# KiCad board PiEEG.kicad_pcb (continued)
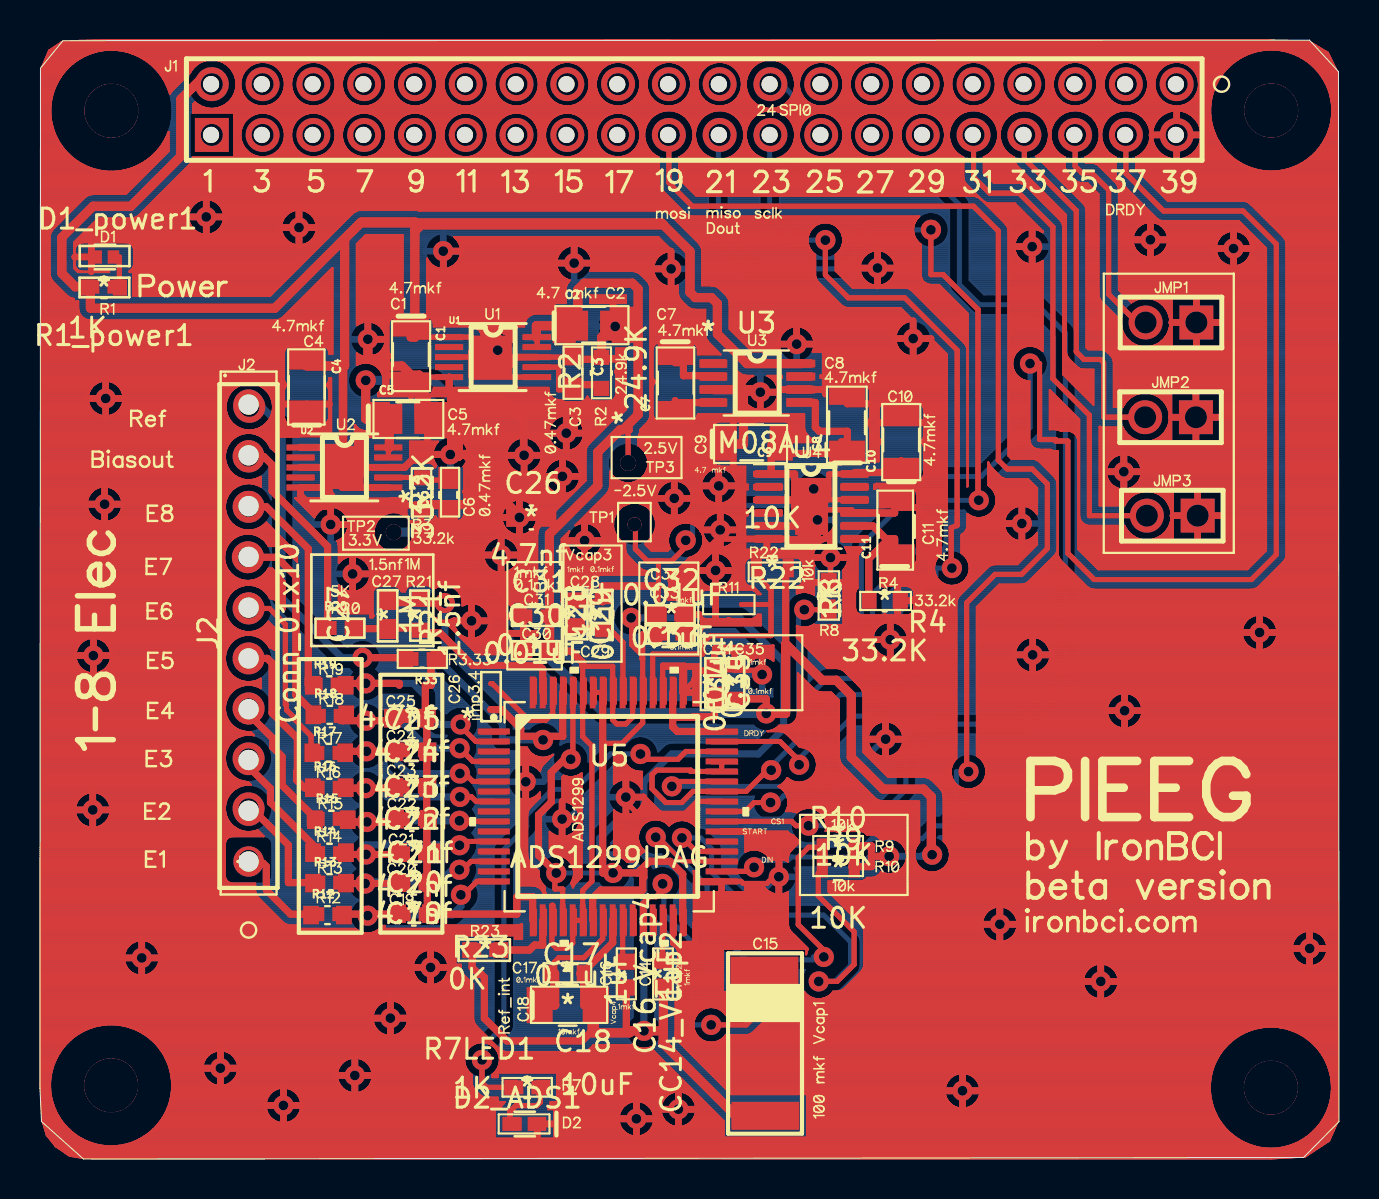
[diagram p0: board, top side]
## Routing (per net, layer and track width the routed paths; a pad name or vN(x,y) marks a point on that pad's centre or on a via; arc(x,y) is an arc through that point) (continued)
; 47.47,52.2 47.54,52.13 ; 47.47,52.2 47.54,52.13 ; 30.66,2.35 30.68,2.28 ; 30.66,2.35 30.68,2.28 ; 30.66,2.35 30.63,2.41 ; 30.66,2.35 30.63,2.41 ; 30.68,2.28 30.7,2.22 ; 30.68,2.28 30.7,2.22 ; 24.55,42.23 24.6,42.25 ; 24.55,42.23 24.51,42.21 ; 24.55,42.23 24.6,42.25 ; 24.55,42.23 24.51,42.21 ; 24.6,42.25 24.64,42.27 ; 24.6,42.25 24.64,42.27 ; 22.72,53.82 22.73,53.92 ; 22.72,53.82 22.72,53.72 ; 22.72,53.82 22.73,53.92 ; 22.72,53.82 22.72,53.72 ; 22.73,53.92 22.75,54.02 ; 22.73,53.92 22.75,54.02 ; 11.53,54.82 11.62,54.78 ; 11.53,54.82 11.62,54.78 ; 11.53,54.82 11.43,54.85 ; 11.53,54.82 11.43,54.85 ; 11.62,54.78 11.71,54.73 ; 11.62,54.78 11.71,54.73 ; 33.35,32.06 33.4,32.11 ; 33.35,32.06 33.31,32 ; 33.35,32.06 33.31,32 ; 33.35,32.06 33.4,32.11 ; 33.4,32.11 33.45,32.16 ; 33.4,32.11 33.45,32.16 ; 36.53,30.1 36.59,30.09 ; 36.53,30.1 36.59,30.09 ; 36.53,30.1 35.7,30.1 ; 36.53,30.1 35.7,30.1 ; 36.59,30.09 36.65,30.07 ; 36.59,30.09 36.65,30.07 ; 22.48,29.55 22.43,29.59 ; 22.48,29.55 22.54,29.5 ; 22.48,29.55 22.43,29.59 ; 22.48,29.55 22.54,29.5 ; 22.43,29.59 22.38,29.65 ; 22.43,29.59 22.38,29.65 ; 18.06,7.77 18.11,7.72 ; 18.06,7.77 18.11,7.72 ; 18.06,7.77 18,7.81 ; 18.06,7.77 18,7.81 ; 18.11,7.72 18.16,7.67 ; 18.11,7.72 18.16,7.67 ; 48.83,24.89 48.8,24.96 ; 48.83,24.89 48.8,24.96 ; 48.83,24.89 48.85,24.83 ; 48.83,24.89 48.85,24.83 ; 48.8,24.96 48.78,25.02 ; 48.8,24.96 48.78,25.02 ; 45.46,51.31 45.47,51.41 ; 45.46,51.31 45.47,51.41 ; 45.46,51.31 45.46,51.21 ; 45.46,51.31 45.46,51.21 ; 45.47,51.41 45.49,51.51 ; 45.47,51.41 45.49,51.51 ; 30.5,37.05 30.48,37.01 ; 30.5,37.05 30.51,37.1 ; 30.5,37.05 30.51,37.1 ; 30.5,37.05 30.48,37.01 ; 30.48,37.01 30.46,36.97 ; 30.48,37.01 30.46,36.97 ; 38.03,28.35 38.08,28.36 ; 38.03,28.35 37.98,28.34 ; 38.03,28.35 38.08,28.36 ; 38.03,28.35 37.98,28.34 ; 38.08,28.36 38.13,28.37 ; 38.08,28.36 38.13,28.37 ; 48.12,53.72 48.12,53.82 ; 48.12,53.72 48.13,53.62 ; 48.12,53.72 48.12,53.82 ; 48.12,53.72 48.13,53.62 ; 48.12,53.82 48.13,53.92 ; 48.12,53.82 48.13,53.92 ; 48.76,45.84 48.77,45.91 ; 48.76,45.84 48.74,45.77 ; 48.76,45.84 48.77,45.91 ; 48.76,45.84 48.74,45.77 ; 48.77,45.91 48.8,45.98 ; 48.77,45.91 48.8,45.98 ; 49.12,24.51 49.07,24.55 ; 49.12,24.51 49.18,24.47 ; 49.12,24.51 49.18,24.47 ; 49.12,24.51 49.07,24.55 ; 49.07,24.55 49.02,24.6 ; 49.07,24.55 49.02,24.6 ; 15.91,41.76 15.97,41.79 ; 15.91,41.76 15.85,41.72 ; 15.91,41.76 15.85,41.72 ; 15.91,41.76 15.97,41.79 ; 15.97,41.79 16.03,41.82 ; 15.97,41.79 16.03,41.82 ; 58.94,46.03 58.98,46.08 ; 58.94,46.03 58.91,45.96 ; 58.94,46.03 58.91,45.96 ; 58.94,46.03 58.98,46.08 ; 58.98,46.08 59.03,46.14 ; 58.98,46.08 59.03,46.14 ; 5.56,10.82 5.62,10.78 ; 5.56,10.82 5.62,10.78 ; 5.56,10.82 5.5,10.85 ; 5.56,10.82 5.5,10.85 ; 5.62,10.78 5.67,10.74 ; 5.62,10.78 5.67,10.74 ; 10.44,21.36 10.34,21.36 ; 10.44,21.36 10.54,21.36 ; 10.44,21.36 10.54,21.36 ; 10.44,21.36 10.34,21.36 ; 10.34,21.36 10.25,21.38 ; 10.34,21.36 10.25,21.38 ; 31.49,52.47 31.59,52.46 ; 31.49,52.47 31.39,52.47 ; 31.49,52.47 31.59,52.46 ; 31.49,52.47 31.39,52.47 ; 31.59,52.46 31.69,52.45 ; 31.59,52.46 31.69,52.45 ; 29.93,17.47 29.88,17.42 ; 29.93,17.47 29.98,17.52 ; 29.93,17.47 29.88,17.42 ; 29.93,17.47 29.98,17.52 ; 29.88,17.42 29.82,17.38 ; 29.88,17.42 29.82,17.38 ; 20.9,52.28 21,52.31 ; 20.9,52.28 20.81,52.24 ; 20.9,52.28 20.81,52.24 ; 20.9,52.28 21,52.31 ; 21,52.31 21.1,52.33 ; 21,52.31 21.1,52.33 ; 36.18,52.41 36.27,52.44 ; 36.18,52.41 36.27,52.44 ; 36.18,52.41 36.08,52.38 ; 36.18,52.41 36.08,52.38 ; 36.27,52.44 36.37,52.46 ; 36.27,52.44 36.37,52.46 ; 15.19,50.8 15.16,50.89 ; 15.19,50.8 15.16,50.89 ; 15.19,50.8 15.23,50.71 ; 15.19,50.8 15.23,50.71 ; 15.16,50.89 15.13,50.99 ; 15.16,50.89 15.13,50.99 ; 15.11,53.92 15.13,54.02 ; 15.11,53.92 15.13,54.02 ; 15.11,53.92 15.1,53.82 ; 15.11,53.92 15.1,53.82 ; 15.13,54.02 15.16,54.12 ; 15.13,54.02 15.16,54.12 ; 8.39,3.92 8.34,3.97 ; 8.39,3.92 8.44,3.87 ; 8.39,3.92 8.44,3.87 ; 8.39,3.92 8.34,3.97 ; 8.34,3.97 8.3,4.03 ; 8.34,3.97 8.3,4.03 ; 13.02,52.87 12.94,52.94 ; 13.02,52.87 12.94,52.94 ; 13.02,52.87 13.1,52.82 ; 13.02,52.87 13.1,52.82 ; 12.94,52.94 12.87,53 ; 12.94,52.94 12.87,53 ; 39.22,17.11 39.24,17.07 ; 39.22,17.11 39.19,17.15 ; 39.22,17.11 39.19,17.15 ; 39.22,17.11 39.24,17.07 ; 39.24,17.07 39.26,17.02 ; 39.24,17.07 39.26,17.02 ; 38.09,41.63 38.16,41.61 ; 38.09,41.63 38.16,41.61 ; 38.09,41.63 38.02,41.65 ; 38.09,41.63 38.02,41.65 ; 38.16,41.61 38.22,41.58 ; 38.16,41.61 38.22,41.58 ; 41.81,54.87 41.91,54.85 ; 41.81,54.87 41.91,54.85 ; 41.81,54.87 41.72,54.88 ; 41.81,54.87 41.72,54.88 ; 40.88,50.4 40.81,50.46 ; 40.88,50.4 40.96,50.33 ; 40.88,50.4 40.96,50.33 ; 40.88,50.4 40.81,50.46 ; 40.81,50.46 40.74,50.54 ; 40.81,50.46 40.74,50.54 ; 37.95,41.66 38.02,41.65 ; 37.95,41.66 37.88,41.66 ; 37.95,41.66 38.02,41.65 ; 37.95,41.66 37.88,41.66 ; 63.45,54.87 63.57,54.78 ; 63.45,54.87 63.33,54.96 ; 63.45,54.87 63.57,54.78 ; 63.45,54.87 63.33,54.96 ; 63.57,54.78 63.68,54.67 ; 63.57,54.78 63.68,54.67 ; 26.89,17.46 26.92,17.4 ; 26.89,17.46 26.92,17.4 ; 26.89,17.46 26.85,17.52 ; 26.89,17.46 26.85,17.52 ; 26.92,17.4 26.95,17.33 ; 26.92,17.4 26.95,17.33 ; 61.68,26.92 61.73,26.86 ; 61.68,26.92 61.64,26.97 ; 61.68,26.92 61.73,26.86 ; 61.68,26.92 61.64,26.97 ; 61.73,26.86 61.77,26.8 ; 61.73,26.86 61.77,26.8 ; 21.49,52.68 21.4,52.66 ; 21.49,52.68 21.4,52.66 ; 21.49,52.68 21.59,52.7 ; 21.49,52.68 21.59,52.7 ; 21.4,52.66 21.3,52.66 ; 21.4,52.66 21.3,52.66 ; 20.22,11.52 17.25,11.52 ; 20.22,11.52 20.22,11.69 ; 20.22,11.52 17.25,11.52 ; 20.22,11.52 20.22,11.69 ; 17.25,11.52 17.25,11.67 ; 17.25,11.52 17.25,11.67 ; 21.73,27.8 21.8,27.79 ; 21.73,27.8 21.66,27.81 ; 21.73,27.8 21.66,27.81 ; 21.73,27.8 21.8,27.79 ; 21.8,27.79 21.87,27.77 ; 21.8,27.79 21.87,27.77 ; 47.2,32.1 47.15,32.09 ; 47.2,32.1 47.15,32.09 ; 47.2,32.1 47.25,32.12 ; 47.2,32.1 47.25,32.12 ; 47.15,32.09 47.11,32.08 ; 47.15,32.09 47.11,32.08 ; 25.61,36.85 25.65,36.9 ; 25.61,36.85 25.65,36.9 ; 25.61,36.85 25.57,36.79 ; 25.61,36.85 25.57,36.79 ; 25.65,36.9 25.7,36.95 ; 25.65,36.9 25.7,36.95 ; 12.8,51.93 12.87,52 ; 12.8,51.93 12.75,51.85 ; 12.8,51.93 12.75,51.85 ; 12.8,51.93 12.87,52 ; 12.87,52 12.94,52.07 ; 12.87,52 12.94,52.07 ; 38.29,8.29 38.24,8.34 ; 38.29,8.29 38.32,8.25 ; 38.29,8.29 38.32,8.25 ; 38.29,8.29 38.24,8.34 ; 38.24,8.34 36.51,8.34 ; 38.24,8.34 36.51,8.34 ; 15.39,31.47 15.37,31.4 ; 15.39,31.47 15.37,31.4 ; 15.39,31.47 15.41,31.54 ; 15.39,31.47 15.41,31.54 ; 15.37,31.4 15.34,31.34 ; 15.37,31.4 15.34,31.34 ; 3.46,44.37 3.46,44.4 ; 3.46,44.37 1.89,44.37 ; 3.46,44.37 3.46,44.4 ; 3.46,44.37 1.89,44.37 ; 3.46,44.4 3.39,44.4 ; 3.46,44.4 3.39,44.4 ; 39.03,46.83 39.08,46.84 ; 39.03,46.83 39.08,46.84 ; 39.03,46.83 38.99,46.81 ; 39.03,46.83 38.99,46.81 ; 39.08,46.84 39.13,46.85 ; 39.08,46.84 39.13,46.85 ; 48.11,34.09 48.08,34.11 ; 48.11,34.09 48.14,34.07 ; 48.11,34.09 48.08,34.11 ; 48.11,34.09 48.14,34.07 ; 48.08,34.11 48.04,34.13 ; 48.08,34.11 48.04,34.13 ; 36.69,24.93 36.69,25.69 ; 36.69,24.93 36.69,25.69 ; 36.69,24.93 36.65,24.96 ; 36.69,24.93 36.65,24.96 ; 36.69,25.69 36.64,25.68 ; 36.69,25.69 36.64,25.68 ; 10.6,23.72 10.7,23.7 ; 10.6,23.72 10.5,23.73 ; 10.6,23.72 10.5,23.73 ; 10.6,23.72 10.7,23.7 ; 10.7,23.7 10.8,23.67 ; 10.7,23.7 10.8,23.67 ; 49.25,32.68 49.32,32.66 ; 49.25,32.68 49.32,32.66 ; 49.25,32.68 49.18,32.68 ; 49.25,32.68 49.18,32.68 ; 49.32,32.66 49.38,32.64 ; 49.32,32.66 49.38,32.64 ; 29.44,17.22 29.37,17.22 ; 29.44,17.22 29.37,17.22 ; 29.44,17.22 29.5,17.24 ; 29.44,17.22 29.5,17.24 ; 29.37,17.22 29.3,17.21 ; 29.37,17.22 29.3,17.21 ; 37.35,52.85 37.27,52.78 ; 37.35,52.85 37.42,52.92 ; 37.35,52.85 37.27,52.78 ; 37.35,52.85 37.42,52.92 ; 37.27,52.78 37.19,52.73 ; 37.27,52.78 37.19,52.73 ; 45.18,18.26 45.19,18.22 ; 45.18,18.26 45.17,18.31 ; 45.18,18.26 45.17,18.31 ; 45.18,18.26 45.19,18.22 ; 33.72,5.83 33.67,5.83 ; 33.72,5.83 33.77,5.84 ; 33.72,5.83 33.67,5.83 ; 33.72,5.83 33.77,5.84 ; 33.67,5.83 33.62,5.82 ; 33.67,5.83 33.62,5.82 ; 37.02,13.23 36.95,13.23 ; 37.02,13.23 36.95,13.23 ; 31.94,33.92 32.01,33.9 ; 31.94,33.92 32.01,33.9 ; 31.94,33.92 31.87,33.93 ; 31.94,33.92 31.87,33.93 ; 32.01,33.9 32.07,33.88 ; 32.01,33.9 32.07,33.88 ; 63.87,5.57 63.97,5.46 ; 63.87,5.57 63.97,5.46 ; 63.87,5.57 63.77,5.68 ; 63.87,5.57 63.77,5.68 ; 63.97,5.46 64.06,5.34 ; 63.97,5.46 64.06,5.34 ; 45.71,54.3 45.77,54.39 ; 45.71,54.3 45.77,54.39 ; 45.71,54.3 45.67,54.21 ; 45.71,54.3 45.67,54.21 ; 45.77,54.39 45.82,54.47 ; 45.77,54.39 45.82,54.47 ; 37.86,22.06 37.84,22.01 ; 37.86,22.06 37.84,22.01 ; 37.86,22.06 37.88,22.1 ; 37.86,22.06 37.88,22.1 ; 37.84,22.01 37.82,21.97 ; 37.84,22.01 37.82,21.97 ; 43.4,26.19 43.41,26.12 ; 43.4,26.19 43.38,26.25 ; 43.4,26.19 43.38,26.25 ; 43.4,26.19 43.41,26.12 ; 43.41,26.12 43.42,26.05 ; 43.41,26.12 43.42,26.05 ; 54.17,21.54 54.1,21.55 ; 54.17,21.54 54.24,21.54 ; 54.17,21.54 54.24,21.54 ; 54.17,21.54 54.1,21.55 ; 54.1,21.55 54.03,21.56 ; 54.1,21.55 54.03,21.56 ; 15.75,5.07 15.82,5.07 ; 15.75,5.07 15.68,5.07 ; 15.75,5.07 15.68,5.07 ; 15.75,5.07 15.82,5.07 ; 15.82,5.07 15.89,5.06 ; 15.82,5.07 15.89,5.06 ; 3.56,55.99 1.96,55.94 ; 3.56,55.99 61.49,55.96 ; 3.56,55.99 1.96,55.94 ; 3.56,55.99 61.49,55.96 ; 1.96,55.94 1.08,55.87 ; 1.96,55.94 1.08,55.87 ; 62.55,0.68 62.4,0.63 ; 62.55,0.68 62.69,0.73 ; 62.55,0.68 62.4,0.63 ; 62.55,0.68 62.69,0.73 ; 62.4,0.63 62.26,0.6 ; 62.4,0.63 62.26,0.6 ; 35.39,51.7 35.43,51.79 ; 35.39,51.7 35.36,51.6 ; 35.39,51.7 35.43,51.79 ; 35.39,51.7 35.36,51.6 ; 35.43,51.79 35.48,51.87 ; 35.43,51.79 35.48,51.87 ; 27.45,30.07 27.38,30.06 ; 27.45,30.07 27.52,30.09 ; 27.45,30.07 27.52,30.09 ; 27.45,30.07 27.38,30.06 ; 27.38,30.06 27.31,30.05 ; 27.38,30.06 27.31,30.05 ; 38.25,36.44 38.24,36.48 ; 38.25,36.44 38.24,36.48 ; 38.25,36.44 38.26,36.4 ; 38.25,36.44 38.26,36.4 ; 38.24,36.48 38.23,36.52 ; 38.24,36.48 38.23,36.52 ; 52.76,49.82 52.8,49.81 ; 52.76,49.82 52.8,49.81 ; 52.76,49.82 52.72,49.83 ; 52.76,49.82 52.72,49.83 ; 52.8,49.81 52.83,49.79 ; 52.8,49.81 52.83,49.79 ; 20.38,26.75 20.44,26.69 ; 20.38,26.75 20.34,26.78 ; 20.38,26.75 20.34,26.78 ; 20.38,26.75 20.44,26.69 ; 20.44,26.69 21.88,25.25 ; 20.44,26.69 21.88,25.25 ; 16.71,40.18 16.65,40.16 ; 16.71,40.18 16.65,40.16 ; 16.71,40.18 16.78,40.21 ; 16.71,40.18 16.78,40.21 ; 16.65,40.16 16.58,40.14 ; 16.65,40.16 16.58,40.14 ; 50.89,33.73 50.89,30.54 ; 50.89,33.73 50.89,33.82 ; 50.89,33.73 50.89,33.82 ; 50.89,33.73 50.89,30.54 ; 50.89,30.54 50.89,30.5 ; 50.89,30.54 50.89,30.5 ; 27.36,54.3 27.4,54.21 ; 27.36,54.3 27.4,54.21 ; 27.36,54.3 27.31,54.39 ; 27.36,54.3 27.31,54.39 ; 27.4,54.21 27.44,54.12 ; 27.4,54.21 27.44,54.12 ; 23.18,5.38 23.14,5.39 ; 23.18,5.38 23.23,5.37 ; 23.18,5.38 23.14,5.39 ; 23.18,5.38 23.23,5.37 ; 23.14,5.39 23.1,5.41 ; 23.14,5.39 23.1,5.41 ; 30.1,19.23 30.1,19.27 ; 30.1,19.23 30.1,18.51 ; 30.1,19.23 30.1,18.51 ; 30.1,19.23 30.1,19.27 ; 30.1,19.27 30.11,19.31 ; 30.1,19.27 30.11,19.31 ; 31.9,8.05 31.89,7.99 ; 31.9,8.05 31.89,7.99 ; 31.9,8.05 31.91,8.1 ; 31.9,8.05 31.91,8.1 ; 31.89,7.99 31.86,7.93 ; 31.89,7.99 31.86,7.93 ; 25.61,34.88 25.67,34.92 ; 25.61,34.88 25.56,34.84 ; 25.61,34.88 25.56,34.84 ; 25.61,34.88 25.67,34.92 ; 25.67,34.92 25.73,34.95 ; 25.67,34.92 25.73,34.95 ; 19.69,41.86 19.7,41.8 ; 19.69,41.86 19.67,41.91 ; 19.69,41.86 19.7,41.8 ; 19.69,41.86 19.67,41.91 ; 19.7,41.8 19.7,41.67 ; 19.7,41.8 19.7,41.67 ; 33.75,25.68 33.66,25.59 ; 33.75,25.68 36.51,25.68 ; 33.75,25.68 33.66,25.59 ; 33.75,25.68 36.51,25.68 ; 33.66,25.59 33.66,25.26 ; 33.66,25.59 33.66,25.26 ; 43.9,14.71 43.87,14.75 ; 43.9,14.71 43.87,14.75 ; 43.9,14.71 43.93,14.67 ; 43.9,14.71 43.93,14.67 ; 43.87,14.75 43.84,14.79 ; 43.87,14.75 43.84,14.79 ; 33.22,33.16 33.19,33.22 ; 33.22,33.16 33.27,33.1 ; 33.22,33.16 33.19,33.22 ; 33.22,33.16 33.27,33.1 ; 33.19,33.22 33.15,33.28 ; 33.19,33.22 33.15,33.28 ; 31.65,52.68 31.56,52.66 ; 31.65,52.68 31.56,52.66 ; 31.65,52.68 31.75,52.7 ; 31.65,52.68 31.75,52.7 ; 31.56,52.66 31.46,52.66 ; 31.56,52.66 31.46,52.66 ; 18.65,9.66 18.66,9.73 ; 18.65,9.66 18.66,9.73 ; 18.65,9.66 18.65,9.59 ; 18.65,9.66 18.65,9.59 ; 18.66,9.73 18.67,9.8 ; 18.66,9.73 18.67,9.8 ; 3.35,0.64 3.2,0.65 ; 3.35,0.64 3.2,0.65 ; 3.35,0.64 3.5,0.63 ; 3.35,0.64 3.5,0.63 ; 3.2,0.65 3.05,0.68 ; 3.2,0.65 3.05,0.68 ; 3.52,45.86 4.35,45.86 ; 3.52,45.86 4.35,45.86 ; 3.52,45.86 3.39,45.86 ; 3.52,45.86 3.39,45.86 ; 4.35,45.86 4.41,45.85 ; 4.35,45.86 4.41,45.85 ; 11.33,2.41 11.31,2.48 ; 11.33,2.41 11.35,2.35 ; 11.33,2.41 11.31,2.48 ; 11.33,2.41 11.35,2.35 ; 11.31,2.48 11.3,2.55 ; 11.31,2.48 11.3,2.55 ; 34.35,43.19 34.38,43.15 ; 34.35,43.19 34.32,43.22 ; 34.35,43.19 34.32,43.22 ; 34.35,43.19 34.38,43.15 ; 34.38,43.15 34.41,43.11 ; 34.38,43.15 34.41,43.11 ; 64.61,52.84 64.63,52.69 ; 64.61,52.84 64.59,52.99 ; 64.61,52.84 64.59,52.99 ; 64.61,52.84 64.63,52.69 ; 64.63,52.69 64.64,52.54 ; 64.63,52.69 64.64,52.54 ; 54.76,40.74 54.67,40.79 ; 54.76,40.74 54.85,40.7 ; 54.76,40.74 54.67,40.79 ; 54.76,40.74 54.85,40.7 ; 54.67,40.79 54.59,40.84 ; 54.67,40.79 54.59,40.84 ; 7.44,47 7.43,47.07 ; 7.44,47 7.43,47.07 ; 7.44,47 7.45,46.93 ; 7.44,47 7.45,46.93 ; 7.43,47.07 7.43,47.14 ; 7.43,47.07 7.43,47.14 ; 31.9,29.51 31.87,29.49 ; 31.9,29.51 31.87,29.49 ; 31.9,29.51 31.94,29.54 ; 31.9,29.51 31.94,29.54 ; 31.87,29.49 31.84,29.47 ; 31.87,29.49 31.84,29.47 ; 40.53,51.48 40.56,51.58 ; 40.53,51.48 40.51,51.38 ; 40.53,51.48 40.56,51.58 ; 40.53,51.48 40.51,51.38 ; 40.56,51.58 40.59,51.67 ; 40.56,51.58 40.59,51.67 ; 49.01,39.07 48.97,39.1 ; 49.01,39.07 49.05,39.04 ; 49.01,39.07 48.97,39.1 ; 49.01,39.07 49.05,39.04 ; 48.97,39.1 48.93,39.13 ; 48.97,39.1 48.93,39.13 ; 30.73,38.84 30.77,38.88 ; 30.73,38.84 30.69,38.79 ; 30.73,38.84 30.77,38.88 ; 30.73,38.84 30.69,38.79 ; 30.77,38.88 30.77,38.9 ; 30.77,38.88 30.77,38.9 ; 37.27,18.35 37.3,18.31 ; 37.27,18.35 37.24,18.39 ; 37.27,18.35 37.24,18.39 ; 37.27,18.35 37.3,18.31 ; 37.3,18.31 37.32,18.27 ; 37.3,18.31 37.32,18.27 ; 42.01,37.7 42.04,37.73 ; 42.01,37.7 42.04,37.73 ; 42.01,37.7 41.99,37.66 ; 42.01,37.7 41.99,37.66 ; 42.04,37.73 42.06,37.76 ; 42.04,37.73 42.06,37.76 ; 41.8,14.11 41.76,14.09 ; 41.8,14.11 41.84,14.13 ; 41.8,14.11 41.76,14.09 ; 41.8,14.11 41.84,14.13 ; 41.76,14.09 41.72,14.08 ; 41.76,14.09 41.72,14.08 ; 43.13,53.34 43.1,53.43 ; 43.13,53.34 43.1,53.43 ; 43.13,53.34 43.17,53.25 ; 43.13,53.34 43.17,53.25 ; 43.1,53.43 43.07,53.53 ; 43.1,53.43 43.07,53.53 ; 32.72,36.96 32.67,36.93 ; 32.72,36.96 32.77,37 ; 32.72,36.96 32.77,37 ; 32.72,36.96 32.67,36.93 ; 32.67,36.93 32.61,36.92 ; 32.67,36.93 32.61,36.92 ; 53.9,49.01 53.88,49.05 ; 53.9,49.01 53.93,48.98 ; 53.9,49.01 53.88,49.05 ; 53.9,49.01 53.93,48.98 ; 53.88,49.05 53.86,49.08 ; 53.88,49.05 53.86,49.08 ; 47.54,10.99 47.48,11.03 ; 47.54,10.99 47.6,10.95 ; 47.54,10.99 47.48,11.03 ; 47.54,10.99 47.6,10.95 ; 47.48,11.03 47.42,11.07 ; 47.48,11.03 47.42,11.07 ; 40.06,51.76 40.1,51.67 ; 40.06,51.76 40.01,51.85 ; 40.06,51.76 40.01,51.85 ; 40.06,51.76 40.1,51.67 ; 40.1,51.67 40.14,51.58 ; 40.1,51.67 40.14,51.58 ; 32.69,30.15 32.64,30.13 ; 32.69,30.15 32.73,30.17 ; 32.69,30.15 32.73,30.17 ; 32.69,30.15 32.64,30.13 ; 32.64,30.13 32.59,30.11 ; 32.64,30.13 32.59,30.11 ; 47.58,33.59 47.62,33.56 ; 47.58,33.59 47.55,33.63 ; 47.58,33.59 47.62,33.56 ; 47.58,33.59 47.55,33.63 ; 47.62,33.56 47.65,33.52 ; 47.62,33.56 47.65,33.52 ; 37.44,17.83 37.43,17.79 ; 37.44,17.83 37.43,17.89 ; 37.44,17.83 37.43,17.89 ; 37.44,17.83 37.43,17.79 ; 37.43,17.79 37.43,17.74 ; 37.43,17.79 37.43,17.74 ; 17.64,53.72 17.64,53.82 ; 17.64,53.72 17.64,53.82 ; 17.64,53.72 17.65,53.62 ; 17.64,53.72 17.65,53.62 ; 17.64,53.82 17.65,53.92 ; 17.64,53.82 17.65,53.92 ; 26.96,36.94 27.01,36.89 ; 26.96,36.94 26.91,36.99 ; 26.96,36.94 27.01,36.89 ; 26.96,36.94 26.91,36.99 ; 27.01,36.89 27.05,36.83 ; 27.01,36.89 27.05,36.83 ; 41.49,35.08 41.46,35.03 ; 41.49,35.08 41.46,35.03 ; 41.49,35.08 41.51,35.14 ; 41.49,35.08 41.51,35.14 ; 41.46,35.03 41.42,34.98 ; 41.46,35.03 41.42,34.98 ; 35.52,6.24 35.49,6.23 ; 35.52,6.24 35.49,6.23 ; 35.52,6.24 35.56,6.26 ; 35.52,6.24 35.56,6.26 ; 35.49,6.23 35.45,6.21 ; 35.49,6.23 35.45,6.21 ; 19.84,51.48 19.86,51.38 ; 19.84,51.48 19.86,51.38 ; 19.84,51.48 19.82,51.58 ; 19.84,51.48 19.82,51.58 ; 19.86,51.38 19.87,51.28 ; 19.86,51.38 19.87,51.28 ; 11.42,3.15 11.46,3.21 ; 11.42,3.15 11.39,3.09 ; 11.42,3.15 11.39,3.09 ; 11.42,3.15 11.46,3.21 ; 11.46,3.21 11.5,3.27 ; 11.46,3.21 11.5,3.27 ; 14.79,53.82 14.79,53.72 ; 14.79,53.82 14.78,53.92 ; 14.79,53.82 14.79,53.72 ; 14.79,53.82 14.78,53.92 ; 14.79,53.72 14.78,53.62 ; 14.79,53.72 14.78,53.62 ; 24.61,34.41 24.55,34.38 ; 24.61,34.41 24.67,34.44 ; 24.61,34.41 24.67,34.44 ; 24.61,34.41 24.55,34.38 ; 24.55,34.38 24.48,34.36 ; 24.55,34.38 24.48,34.36 ; 36.62,50 36.52,50 ; 36.62,50 36.72,50.01 ; 36.62,50 36.52,50 ; 36.62,50 36.72,50.01 ; 36.52,50 36.42,50.01 ; 36.52,50 36.42,50.01 ; 49.17,44.88 49.11,44.92 ; 49.17,44.88 49.23,44.85 ; 49.17,44.88 49.23,44.85 ; 49.17,44.88 49.11,44.92 ; 49.11,44.92 49.06,44.96 ; 49.11,44.92 49.06,44.96 ; 28.58,37.93 28.53,37.91 ; 28.58,37.93 28.53,37.91 ; 28.58,37.93 28.64,37.96 ; 28.58,37.93 28.64,37.96 ; 28.53,37.91 28.47,37.9 ; 28.53,37.91 28.47,37.9 ; 39.26,17.02 39.28,16.97 ; 39.26,17.02 39.28,16.97 ; 61.81,0.53 61.66,0.52 ; 61.81,0.53 61.96,0.54 ; 61.81,0.53 61.96,0.54 ; 61.81,0.53 61.66,0.52 ; 61.66,0.52 61.51,0.52 ; 61.66,0.52 61.51,0.52 ; 36.09,37.47 36.02,37.47 ; 36.09,37.47 36.16,37.48 ; 36.09,37.47 36.02,37.47 ; 36.09,37.47 36.16,37.48 ; 36.02,37.47 35.95,37.48 ; 36.02,37.47 35.95,37.48 ; 43.23,54.39 43.28,54.47 ; 43.23,54.39 43.17,54.3 ; 43.23,54.39 43.28,54.47 ; 43.23,54.39 43.17,54.3 ; 43.28,54.47 43.35,54.54 ; 43.28,54.47 43.35,54.54 ; 50.15,46.41 48.76,47.81 ; 50.15,46.41 50.15,46.37 ; 50.15,46.41 50.15,46.37 ; 50.15,46.41 48.76,47.81 ; 48.76,47.81 47.5,47.81 ; 48.76,47.81 47.5,47.81 ; 2.34,0.89 2.2,0.95 ; 2.34,0.89 2.48,0.83 ; 2.34,0.89 2.2,0.95 ; 2.34,0.89 2.48,0.83 ; 2.2,0.95 2.07,1.02 ; 2.2,0.95 2.07,1.02 ; 45.06,28.87 45.02,28.9 ; 45.06,28.87 45.02,28.9 ; 45.06,28.87 45.1,28.84 ; 45.06,28.87 45.1,28.84 ; 45.02,28.9 44.98,28.93 ; 45.02,28.9 44.98,28.93 ; 16.43,4.76 16.47,4.7 ; 16.43,4.76 16.38,4.81 ; 16.43,4.76 16.38,4.81 ; 16.43,4.76 16.47,4.7 ; 16.47,4.7 16.51,4.64 ; 16.47,4.7 16.51,4.64 ; 50.94,50.32 50.87,50.39 ; 50.94,50.32 51.02,50.26 ; 50.94,50.32 50.87,50.39 ; 50.94,50.32 51.02,50.26 ; 50.87,50.39 50.81,50.47 ; 50.87,50.39 50.81,50.47 ; 21.2,32.15 21.18,32.11 ; 21.2,32.15 21.18,32.11 ; 21.2,32.15 21.21,32.18 ; 21.2,32.15 21.21,32.18 ; 21.18,32.11 21.16,32.08 ; 21.18,32.11 21.16,32.08 ; 38.47,31.19 38.41,31.23 ; 38.47,31.19 38.41,31.23 ; 38.47,31.19 38.53,31.16 ; 38.47,31.19 38.53,31.16 ; 38.41,31.23 38.35,31.27 ; 38.41,31.23 38.35,31.27 ; 32.18,17.33 32.14,17.33 ; 32.18,17.33 32.14,17.33 ; 32.18,17.33 32.22,17.34 ; 32.18,17.33 32.22,17.34 ; 32.14,17.33 32.05,17.32 ; 32.14,17.33 32.05,17.32 ; 52.71,8.06 52.65,8.09 ; 52.71,8.06 52.65,8.09 ; 52.71,8.06 52.78,8.04 ; 52.71,8.06 52.78,8.04 ; 52.65,8.09 52.59,8.13 ; 52.65,8.09 52.59,8.13 ; 44.06,50.12 43.96,50.14 ; 44.06,50.12 43.96,50.14 ; 44.06,50.12 44.16,50.12 ; 44.06,50.12 44.16,50.12 ; 43.96,50.14 43.86,50.16 ; 43.96,50.14 43.86,50.16 ; 33.67,32.83 33.6,32.86 ; 33.67,32.83 33.73,32.81 ; 33.67,32.83 33.6,32.86 ; 33.67,32.83 33.73,32.81 ; 33.6,32.86 33.54,32.89 ; 33.6,32.86 33.54,32.89 ; 26.89,19.18 26.84,19.16 ; 26.89,19.18 26.93,19.2 ; 26.89,19.18 26.84,19.16 ; 26.89,19.18 26.93,19.2 ; 26.84,19.16 26.79,19.14 ; 26.84,19.16 26.79,19.14 ; 2.44,18.33 2.51,18.35 ; 2.44,18.33 2.37,18.32 ; 2.44,18.33 2.51,18.35 ; 2.44,18.33 2.37,18.32 ; 2.51,18.35 2.58,18.35 ; 2.51,18.35 2.58,18.35 ; 37.76,53.62 37.74,53.53 ; 37.76,53.62 37.77,53.72 ; 37.76,53.62 37.77,53.72 ; 37.76,53.62 37.74,53.53 ; 37.74,53.53 37.72,53.43 ; 37.74,53.53 37.72,53.43 ; 7.96,54.83 8.05,54.88 ; 7.96,54.83 8.05,54.88 ; 7.96,54.83 7.88,54.78 ; 7.96,54.83 7.88,54.78 ; 8.05,54.88 8.14,54.92 ; 8.05,54.88 8.14,54.92 ; 22.08,41.28 22.09,41.24 ; 22.08,41.28 22.06,41.31 ; 22.08,41.28 22.09,41.24 ; 22.08,41.28 22.06,41.31 ; 22.09,41.24 22.1,41.2 ; 22.09,41.24 22.1,41.2 ; 9.66,36.77 9.59,36.84 ; 9.66,36.77 9.74,36.7 ; 9.66,36.77 9.59,36.84 ; 9.66,36.77 9.74,36.7 ; 9.59,36.84 9.53,36.91 ; 9.59,36.84 